# Altium PCB STM32F407开发板.PcbDoc (part 2 of 3) (continued)
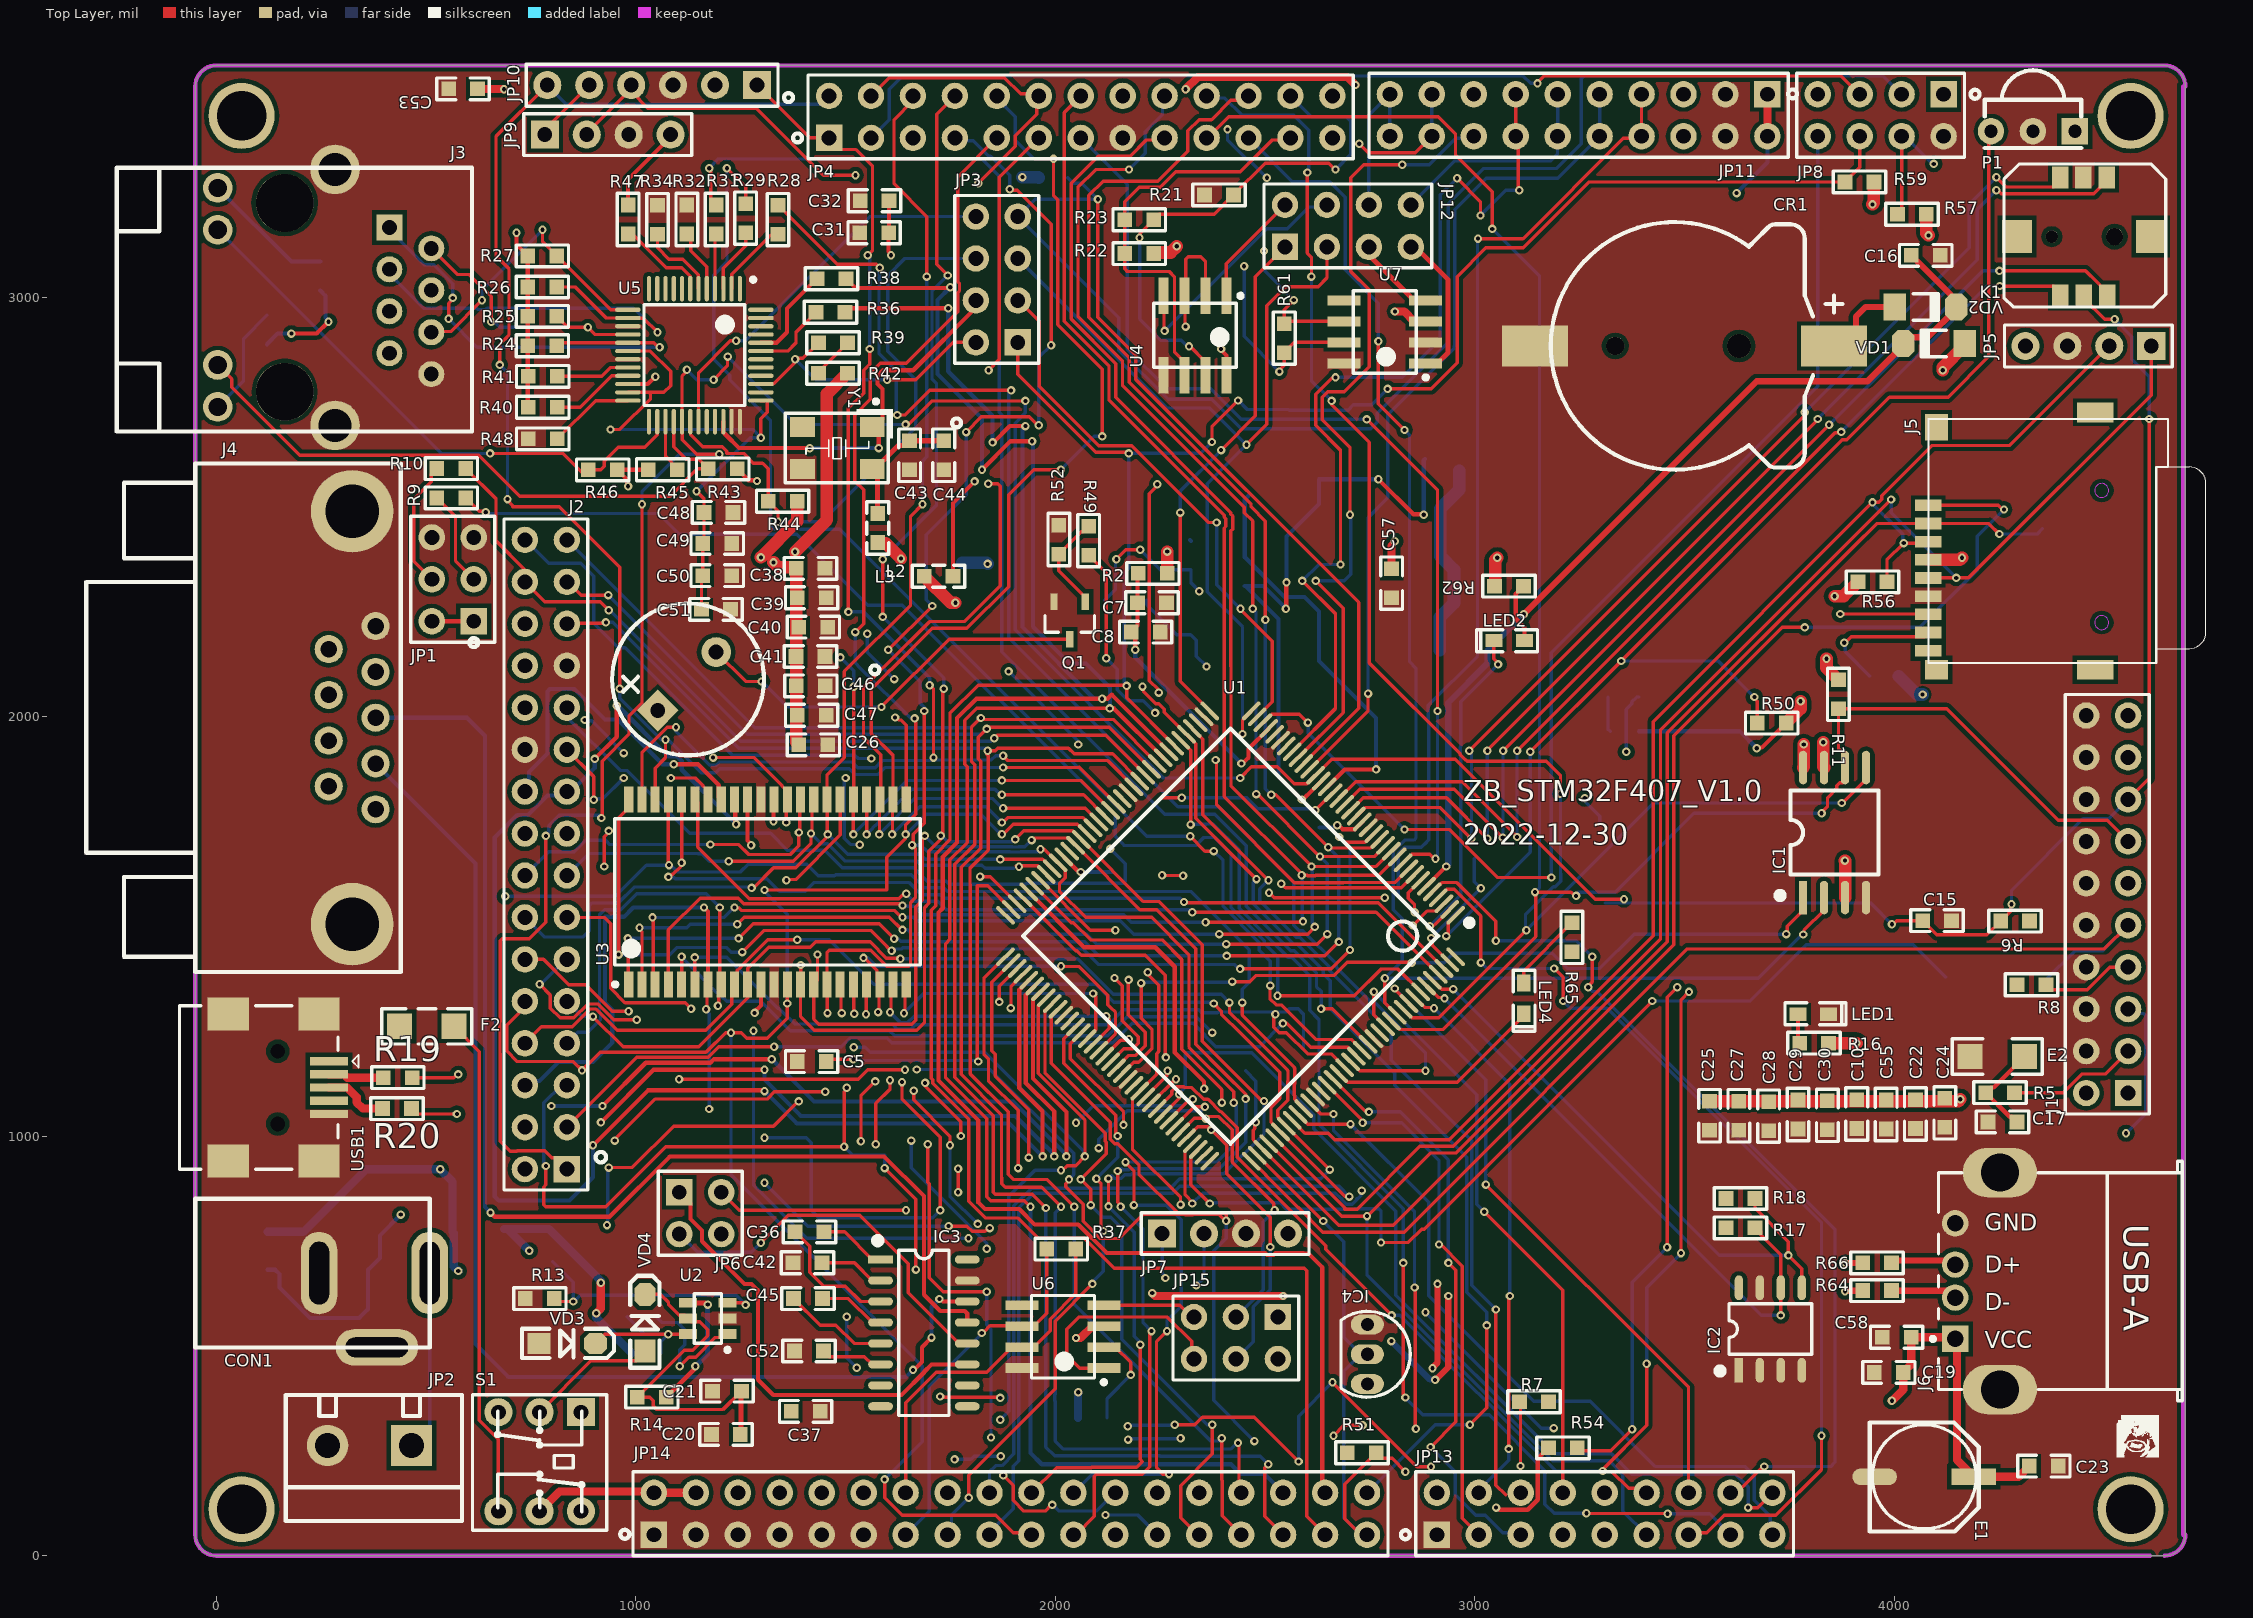
[diagram p0: Top Layer view]
## Nets (pads, with @x,y where several pads share a name; then routed paths per layer and width w, separated by ;. In a path a pad name is that pad's centre, name@x,y a point inside that pad or via, vN(x,y) a via of type N, cw(c..) or ccw(c..) an arc to the next point about the centre after c; other vN are vias at no path point) (continued)
FSMC_D6: J2.12 JP14.21 U1.60 U3.15 | length 4332.1
  Top Layer w8: J2.12@736,1421.58 780.23,1421.58 840.8,1361.01 881.49,1361.01 944.5,1298 v1(983.03,1298) ; v1(1433.4,1433.11) 1433.4,1370.75 U3.15@1424.47,1361.82 1424.47,1279.36 1436.65,1267.18 1658.62,1267.18 1667.89,1276.45 1667.89,1547.15 1683,1562.26 1683,1710 v1(1689,1716) ; v1@1945.81,1707.81 v1(1943.97,1705.97) 1947.22,1705.97 1952.29,1711.05 2031.23,1711.05 U1.60@2048.63,1693.65 2202.22,1540.06 2242.4,1540.06 2335,1447.45 2335,1219.32 2402.39,1151.93 2454,1100.32 v1(2454,1089) ; JP14.21@2043.51,50 2049.83,50 2093.51,93.68 2093.51,189.81 2098.19,194.5 2208.11,194.5 2225.72,212.1 2225.72,531.63 v1(2229.59,535.5) ; v1(2149,917) 2149,842.25 2156,835.25 v1(2156,832)
  PWR03 w8: v1(983.03,1298) 1093.11,1408.08 1248.3,1408.08 1273.33,1433.11 v1(1433.4,1433.11)
  Bottom Layer w8: v1(1689,1716) 1715.13,1689.87 1897.33,1689.87 1897.57,1689.63 1912.43,1689.63 1912.67,1689.87 1927.87,1689.87 v1(1943.97,1705.97) ; v1(2149,917) 2154.29,922.29 2158.41,922.29 2160.24,920.45 2175.1,920.45 2177.37,922.72 2391.64,922.72 2454,985.08 v1(2454,1089) ; v1(2156,832) 2209.54,778.46 2209.54,555.55 v1(2229.59,535.5)
FSMC_D7: J2.13 JP4.7 JP14.22 U1.63 U3.16 | length 6400.6
  Top Layer w8: J2.13@836,1521.58 924.89,1521.58 940.18,1506.29 940.18,1352.61 974.46,1318.32 1117.9,1318.32 v1(1132.22,1304) ; v1(1457.36,1293.5) 1456.67,1294.19 1456.67,1361.12 U3.16@1455.97,1361.82 1455.97,1437.49 1461.63,1443.16 1559.99,1443.16 1598.14,1405 1650.64,1405 1655.32,1409.69 1655.32,1557.21 1667,1568.89 1667,1686 v1(1659,1694) v1@1661.3,1696.3 ; v1(1602.15,2159.83) 1602.48,2159.83 1706.67,2264.03 v1(1707,2264.03) ; v1@1662,1696.61 1662,1720.11 1688,1746.11 v1(1688,2013.79) ; v1(1787.7,2678.52) 1824,2714.82 1938.11,2714.82 1957.97,2694.97 v1(1961,2694.97) ; v1(1891.67,3257.43) 1893.97,3255.14 1909.87,3255.14 1990.3,3174.7 v1(1990.3,2885.87) ; v1(1965.12,1683.98) 1974.28,1683.98 2006.38,1651.89 U1.63@2006.87,1651.89 2024.27,1634.49 2024.27,1616.31 2010.31,1602.34 2010.31,1584.1 2072.41,1522 2230.11,1522 2319,1433.11 2319,1212.69 2426,1105.69 v1(2426,1080) ; v1(2167.67,938.39) 2187.83,918.23 v1(2187.83,835.7) ; v1(2266.54,535.5) 2241.72,510.68 2241.72,209.2 2257.42,193.5 2270.34,193.5 v1(2271.34,194.5)
  PWR03 w8: v1(1132.22,1304) 1213.09,1223.12 1303.19,1223.12 1373.56,1293.5 v1(1457.36,1293.5)
  Bottom Layer w8: v1(1602.15,2159.83) 1678.68,2083.3 1678.68,2031.6 1688,2022.28 v1(1688,2013.79) ; v1(1659,1694) 1679.89,1694 1695.95,1677.94 1892.38,1677.94 1892.63,1677.69 1917.37,1677.69 1917.62,1677.94 1959.07,1677.94 v1(1965.12,1683.98) ; v1(1707,2264.03) 1692.61,2278.41 1692.61,2434.22 1787.7,2529.3 v1(1787.7,2678.52) ; JP4.7@1761,3380 1767.56,3373.44 1804.5,3373.44 1841.43,3336.5 1846,3336.5 1891.67,3290.83 v1(1891.67,3257.43) ; v1(1961,2694.97) 1961,2856.56 v1(1990.3,2885.87) ; JP14.22@2043.51,150 2088,194.5 v1(2271.34,194.5) ; v1(2167.67,938.39) 2384.68,938.39 2431.5,985.21 2431.5,1074.5 v1(2426,1080) ; v1(2187.83,835.7) 2265.27,835.7 2300.46,800.51 2300.46,594.23 2266.54,560.3 v1(2266.54,535.5)
FSMC_D8: J2.14 JP4.6 U1.64 U3.29 | length 3371.6
  Top Layer w8: v1(1276.25,1592.04) 1280.93,1592.04 1328.53,1639.65 1381.96,1639.65 1457.99,1715.68 v1(1457.99,1719.67) 1456.98,1720.68 1456.98,1801.75 U3.29@1455.97,1802.76 1455.97,1861.05 1497.63,1902.71 1497.63,2108.03 1655.32,2265.72 1655.32,2478.22 v1(1683.77,2506.67) ; JP4.6@1661,3480 1661,3468.57 1615.93,3423.5 1615.93,3270.15 1694,3192.07 v1(1694,3049.38) ; v1(1869,1660) 1891.06,1660 1891.51,1660.45 1969.98,1660.45 1992.46,1637.97 U1.64@1992.96,1637.97
  Bottom Layer w8: J2.14@741.01,1526.59 J2.14@736,1521.58 782.66,1474.92 874.31,1474.92 889,1489.61 889,1549.2 895.8,1556 958.02,1556 996.02,1594 1274.29,1594 v1(1276.25,1592.04) ; v1(1457.99,1719.67) 1505.66,1672 1678.11,1672 1690.11,1660 v1(1869,1660) v1@1872,1660 ; v1(1683.77,2506.67) 1683.77,2609.37 1694,2619.59 v1(1694,3049.38)
FSMC_D9: J2.15 U1.65 U3.30 | length 1341.6
  Top Layer w8: v1(1221.76,1655.65) 1375.33,1655.65 1417.99,1698.31 v1(1417.99,1721.58) 1420.29,1723.88 1420.29,1798.58 U3.30@1424.47,1802.76 ; v1(1913.94,1642.51) 1909.01,1642.51 1907.08,1644.45 1913.94,1644.45 1958.14,1644.45 1978.54,1624.05 U1.65@1979.04,1624.05
  Bottom Layer w8: J2.15@836,1621.58 888.31,1673.89 1148.48,1673.89 1148.97,1673.4 1158.09,1673.4 1175.84,1655.65 v1(1221.76,1655.65) ; v1(1417.99,1721.58) 1441.9,1697.67 1457.36,1697.67 1499.03,1656 1671.49,1656 1681.15,1646.34 1825.04,1646.34 1832.93,1638.45 1901.08,1638.45
FSMC_D10: J2.16 U1.66 U3.31 | length 1918.5
  Top Layer w8: v1(1178.18,1695.4) 1245.36,1695.4 1269.11,1671.65 1368.7,1671.65 1389,1691.94 v1(1389,1724) 1390.99,1725.99 1390.99,1800.78 U3.31@1392.98,1802.76 ; U1.66@1965.12,1610.13 2084.13,1491.12 v1(2143.68,1491.12)
  PWR03 w8: v1(1389,1724) 1408.58,1743.58 1741.7,1743.58 1756.5,1728.78 1756.5,1727.48 1992.86,1491.12 v1(2143.68,1491.12)
  Bottom Layer w8: J2.16@736,1621.58 792.5,1678.08 854.02,1678.08 881.28,1705.35 928.22,1705.35 938.17,1695.4 v1(1178.18,1695.4)
FSMC_D11: J2.17 JP4.5 U1.67 U3.32 | length 4846.2
  Top Layer w8: v1(1184.52,1902.71) 1282.6,1902.71 1348.75,1836.56 1348.75,1835.18 1361.48,1822.45 U3.32@1361.48,1802.76 1359.31,1800.6 1359.31,1750.17 1359,1749.86 v1(1359,1748) ; U1.67@1951.2,1596.21 2038.19,1509.21 2043.4,1509.21 2084.66,1467.96 2255.5,1467.96 2302.12,1421.33 2302.12,1206.94 2370.39,1138.67 2380.53,1128.53 2397.57,1111.49 v1(2397.57,1080.24)
  PWR03 w8: J2.17@836,1721.58 878.72,1764.3 v1(878.72,1992.39) ; v1(971.69,1913.45) 974.94,1913.45 983.69,1904.7 1182.53,1904.7 v1(1184.52,1902.71) 1242.03,1960.22 1357.14,1960.22 1661,2264.08 1661,2689.15 1661.33,2689.48 1661.33,2704.34 1661,2704.67 JP4.5@1661,3380 ; v1(1359,1748) 1359,1726.6 1357.14,1724.74 1409.89,1672 1624.8,1672 1693.8,1603 1784.89,1603 2007.63,1380.26 2106.96,1380.26 2167.67,1319.55 2244.45,1319.55 2397.57,1166.43 v1(2397.57,1080.24)
  Bottom Layer w8: v1(878.72,1992.39) 881.02,1990.1 895.04,1990.1 v1(971.69,1913.45)
FSMC_D12: J2.18 U1.68 U3.35 | length 2813.1
  Top Layer w10: U3.35@1266.99,1802.76 1266.79,1802.56 1266.79,1705.08 1275.14,1696.72 v1(1275.14,1693.65) ; U1.68@1937.28,1582.29 2068.96,1450.61 2238.55,1450.61 2285.12,1404.05 2285.12,1199.9 2355,1130.02 v1(2355,1113)
  PWR03 w10: J2.18@736,1721.58 749.01,1721.58 763,1707.59 763,1706.49 793.03,1676.46 1201.89,1676.46 1219.07,1693.65 v1(1275.14,1693.65) 1318.98,1693.65 1401.63,1611 1485.99,1611 1526.88,1651.89 1620.87,1651.89 1686.76,1586 1777.85,1586 2000.59,1363.26 2099.92,1363.26 2231.33,1231.85 2302.62,1231.85 2355,1179.47 v1(2355,1113)
FSMC_D13: J2.19 U1.77 U3.36 | length 3791.6
  Top Layer w10: v1(898,978.32) 1029.15,1109.46 1305.17,1109.46 v1(1307,1107.64) ; v1(902.28,1899.52) 955.08,1952.32 v1(955.08,2026.16) ; U3.36@1235.5,1802.76 1237.57,1800.69 1237.57,1745.88 v1(1239.48,1743.97) ; U1.77@1937.28,1372.11 1937.28,1372 1914.32,1349.04 1914.32,1115.1 1969.98,1059.44 v1(1969.98,952)
  Bottom Layer w10: v1@898,981.02 v1(898,978.32) 898,902.2 842.23,846.44 673.56,846.44 664,856 664,1712.51 717.57,1766.08 743.42,1766.08 789.5,1812.16 826.58,1812.16 J2.19@836,1821.58 846.2,1821.58 902.28,1877.66 v1(902.28,1899.52) ; v1(955.08,2026.16) 957.29,2026.16 1077.74,1905.7 1098.65,1905.7 1109.74,1894.61 1109.74,1873.7 v1(1239.48,1743.97) ; v1(1307,1107.64) 1384.17,1030.47 1891.51,1030.47 v1(1969.98,952)
FSMC_D14: J2.20 U1.78 U3.37 | length 3658.1
  Top Layer w10: v1(917,1033) 1042.4,1158.4 v1(1307,1158.4) ; v1(1090.81,1886.77) 1148.23,1886.77 1198.17,1836.82 1198.17,1808.59 U3.37@1204,1802.76 ; U1.78@1951.2,1358.19 1929.93,1336.92 1929.93,1127.18 1998,1059.11 v1(1998,952)
  PWR03 w10: J2.20@736,1821.58 735.86,1821.44 689.5,1821.44 664,1795.94 664,981.05 669.86,975.19 859.19,975.19 v1(917,1033)
  Bottom Layer w10: J2.20@736,1821.58 745.42,1831 745.42,1868.08 789.5,1912.16 789.5,2060.22 795.36,2066.08 854.43,2066.08 926.76,1993.75 957.25,1993.75 1064.23,1886.77 v1(1090.81,1886.77) ; v1(1307,1158.4) 1307,1135.16 1393.69,1048.47 1904.84,1048.47 1978.3,975 1979.5,975 1992.98,961.53 1992.98,959.73 1998,954.71 v1(1998,952)
FSMC_D15: J2.21 U1.79 U3.38 | length 3289.1
  Top Layer w8: J2.21@836,1921.58 900,1857.58 v1(900,1802.12) ; v1(1084.04,1854) 1142.34,1854 1159.77,1836.56 1159.77,1835.18 1172.5,1822.45 U3.38@1172.5,1802.76
  Top Layer w10: v1(920.93,1072.04) 1024.1,1175.21 1177.95,1175.21 1186.45,1183.71 v1(1324.29,1183.71) ; U1.79@1965.12,1344.27 1947,1326.15 1947,1137.27 1955.28,1129 2026.76,1057.52 v1(2026.76,952)
  PWR03 w8: v1(971.69,1854) v1(1084.04,1854)
  PWR03 w10: v1(799.03,1072.04) 795.57,1075.51 795.57,1619.19 737.68,1677.08 700.33,1677.08 691.5,1685.91 691.5,1757.5 711.08,1777.08 754.43,1777.08 780.5,1803.15 780.5,1866.08 J2.21@836,1921.58 ; v1@1314.87,1183.71 v1(1324.29,1183.71)
  Bottom Layer w8: v1(900,1802.12) 902.19,1804.31 922,1804.31 v1(971.69,1854)
  Bottom Layer w10: v1(799.03,1072.04) v1(920.93,1072.04) ; v1(1324.29,1183.71) 1425.06,1082.94 1899.58,1082.94 2021,961.53 2021,960.46 2026.76,954.71 v1(2026.76,952)
FSMC_NBL0: U1.141 U3.39 | length 2016.8
  Top Layer w8: U3.39@1141.01,1802.76 1147.83,1795.94 1147.83,1689.35 1270.95,1566.23 1626.86,1566.23 1638.63,1578 v1(1645,1578) ; v1(2327.02,1534.11) 2764.95,1534.11 U1.141@2913.03,1386.03
  Bottom Layer w8: v1(1645,1578) 1662.95,1560.05 1720.64,1560.05 1740.74,1539.95 2321.18,1539.95 v1(2327.02,1534.11)
FSMC_NBL1: U1.142 U3.40 | length 2157.1
  Top Layer w8: v1(1078.02,1618.19) 1081.26,1618.19 1087.32,1624.24 1088.54,1624.24 1107.22,1642.92 1107.22,1649.59 v1(1109.51,1651.89) U3.40@1109.51,1802.76 ; v1(2307.3,1558.34) 2309.2,1556.44 2770.46,1556.44 U1.142@2926.95,1399.95
  Bottom Layer w8: v1(1078.02,1618.19) 1080.31,1615.89 1091.77,1615.89 1093.77,1613.89 1256.37,1613.89 1256.52,1614.04 1312.65,1614.04 1342.69,1584 1404.31,1584 1425.35,1605.04 1651.57,1605.04 1680.56,1576.05 1727.26,1576.05 1736.31,1567 2298.64,1567 v1(2307.3,1558.34)
FSMC_NE3: R33.2 U1.125 U3.6 | length 1948.8
  Top Layer w8: U3.6@1141.01,1361.82 v1(1141.01,1426.41) ; v1@2521,1291 v1@2521,1292 ; v1(2525,1291) 2522,1291 v1@2521,1292 ; U1.125@2690.32,1163.32 2690.32,1163.82 2658.08,1196.06 2602.37,1196.06 2551.42,1247 2533.89,1247 2521,1259.89 v1@2521,1292
  Bottom Layer w8: v1(1141.01,1426.41) 1217.6,1426.41 1338.6,1305.41 1341.06,1305.41 1350.47,1296 1350.8,1296 1379.18,1267.61 1611.4,1267.61 1623.89,1255.12 1655.37,1255.12 1666.35,1266.11 2127.48,1266.11 2162.55,1301.19 2342.88,1301.19 2349.64,1294.43 2387.11,1294.43 2388.68,1296 2549.66,1296 2557.77,1304.11 2579.19,1304.11 2592.07,1291.22 2592.07,1273 2590.89,1271.81 2590.89,1269.78 2592.07,1268.6 2592.07,1213.34 R33.2@2588.58,1209.84
FSMC_NE4: J2.3 U1.127 | length 2081.4
  Top Layer w8: J2.3@836,1021.58 1002.56,1188.15 1172.59,1188.15 1197.96,1213.52 v1(1329.98,1213.52) ; v1(2543,1269) 2552.05,1269 2608.99,1212.06 2697.76,1212.06 2718.16,1191.65 U1.127@2718.16,1191.16
  Bottom Layer w8: v1(1329.98,1213.52) 1490.41,1213.52 1510.89,1234 1599.76,1234 1610.63,1223.12 2137.24,1223.12 2183.3,1269.19 2329.63,1269.19 2356.51,1242.31 2356.51,1239.57 2382.55,1213.52 2487.52,1213.52 v1(2543,1269) v1@2537.68,1263.68
FSMC_NOE: J2.4 U1.118 U3.41 | length 3086.5
  Top Layer w8: U3.41@1078.02,1802.76 1078.02,1647.66 v1(1079.43,1646.24) ; v1(2446,1318.63) 2446,1288.84 2570.07,1164.77 2570.07,1163.64 2571,1162.71 2571,1125.35 2570.4,1124.76 2570.4,1097.48 2571,1096.88 2571,1093.47 2571,1088.26 2592.88,1066.38 U1.118@2592.88,1065.88
  PWR03 w8: v1(689,1572) 689,1068.58 J2.4@736,1021.58 J2.4@741.01,1026.59
  Bottom Layer w8: v1(689,1572) 951.39,1572 1025.64,1646.24 v1(1079.43,1646.24) 1084.04,1646.24 1100.4,1629.89 1249.74,1629.89 1267.99,1648.13 1408.02,1648.13 1435.11,1621.04 1474.12,1621.04 1476.65,1623.57 1656.89,1623.57 1688.41,1592.05 1733.89,1592.05 1742.46,1583.49 2323.68,1583.49 2463.06,1444.11 2463.06,1367.65 2446,1350.59 v1(2446,1318.63)
FSMC_NWE: J2.5 U1.119 U3.17 | length 4333.8
  Top Layer w8: v1(786,929) 786,883.87 780.5,878.37 780.5,836.48 785.18,831.8 928.22,831.8 1071.43,975 v1(1496.96,975) 1496.96,1105.86 1503.32,1112.23 v1(1503.32,1115.47) ; U3.17@1487.46,1361.82 1489.4,1359.89 1489.4,1295.43 v1(1491.33,1293.5) ; v1(1593.51,924.01) 1668,849.51 v1(1668,682) ; v1(1725.81,379.48) 1727.42,377.87 1867.36,377.87 v1(1868.98,376.26) ; U1.119@2606.8,1079.8 2633.6,1053 v1(2663.61,1053) ; v1(2663.61,286) 2688.2,310.59 v1(2733,310.59) ; v1(2856.85,639.24) 2858.43,637.67 2858.43,304.08 v1(2860,302.5)
  PWR03 w8: v1(1491.33,1293.5) 1491.33,1127.47 v1(1503.32,1115.47) ; v1(1668,682) 1678.94,671.06 1678.94,426.36 v1(1725.81,379.48) ; v1(1868.98,376.26) 1885.24,360 2238.5,360 2261.66,383.16 2566.45,383.16 v1(2663.61,286) ; v1(2733,310.59) 2736.25,310.59 2744.33,302.5 v1(2860,302.5)
  Bottom Layer w8: v1(786,929) 786,932.25 781.09,937.15 781.09,1079.47 823.2,1121.58 J2.5@836,1121.58 ; v1(1496.96,975) 1517.11,954.85 1593.51,954.85 v1(1593.51,924.01) ; v1(2663.61,1053) 2663.61,1013.07 2856.85,819.83 v1(2856.85,639.24)
GND: C1.1 C2.1 C3.1 C4.1 C5.1 C6.1 C7.1 C8.1 C9.1 C10.1 C11.1 C12.1 C13.1 C14.1 C15.1 C16.1 C17.1 C19.1 C20.1 C21.1 C22.1 C23.2 C24.1 C25.1 C26.1 C27.2 C28.2 C29.2 C30.2 C31.2 C32.2 C33.2 C34.2 C37.1 C38.2 C39.2 C40.2 C41.2 C42.1 C43.2 C44.2 C46.2 C47.2 C48.2 C49.2 C50.2 C51.2 C52.1 C53.1 C54.2 C55.2 C56.1 C57.2 C58.2 CON1.2 CON1.3 CR1.DC- DZ1.1 E1.2 E2.2 IC1.4 IC2.1 IC2.2 IC2.3 IC2.4 IC2.7 IC3.15 IC4.1 J1.4 J1.6 J1.8 J1.10 J1.12 J1.14 J1.16 J1.18 J1.20 J2.22 J2.25 J3.8 J3.13 J3.14 J4.5 J4.10 J4.11 J5.6 J6.4 J6.5 J6.6 JP1.5 JP1.6 JP2.2 JP4.15 JP5.3 JP7.3 JP8.2 JP9.3 JP10.3 JP11.3 JP11.4 JP13.1 JP14.1 JP14.3 JP14.5 JP14.7 JP14.9 JP14.11 K1.5 LED1.2 P1.2 Q1.2 R3.2 R12.1 R13.2 R21.1 R32.2 R34.2 R48.2 R52.1 U1.16 U1.31 U1.38 U1.51 U1.61 U1.83 U1.94 U1.107 U1.120 U1.130 U2.2 U3.12 U3.34 U4.5 U5.15 U5.19 U5.35 U5.36 U5.47 U6.8 U7.2 U7.8 USB1.5 V1.1 VD3.1 Y1.3 | length 3.5
  Bottom Layer w10: C1.1@2321.44,2421.51 C1.1@2323.88,2419.07
GPIO0: JP3.1 JP8.6 JP14.33 R59.2 U1.43 | length 6620.4
  Top Layer w8: JP3.1@1911,2892.5 1911,2816.14 2096.76,2630.37 2173.12,2630.37 v1(2175.57,2627.93) ; U1.43@2285.26,1930.28 2170.31,2045.23 v1(2170.31,2073.68) 2168.99,2075 1816.2,2075 1749.26,2008.07 1749.26,1707.06 1715,1672.8 1715,1549.01 1704.66,1538.67 1704.66,1137.75 1707.94,1134.47 1707.94,1125.99 1793.81,1040.12 1793.81,845.31 1834.23,804.88 1911.56,804.88 1960,756.44 2069.78,756.44 2141.22,685 2594.12,685 2600.01,679.11 2600.01,93.5 JP14.33@2643.51,50 ; v1(2373.78,2655) 2373.78,2691.53 v1(2436.26,2754) ; v1(2792.57,2781.68) 2896.41,2781.68 2958.18,2843.46 2958.18,3049.38 3026.66,3117.86 3116,3117.86 3273.14,3275 R59.2@3883,3275 3918,3310 JP8.6@3918,3384
  Bottom Layer w8: v1(2170.31,2073.68) 2165.07,2078.92 2165.07,2343.58 2175.57,2354.08 v1(2175.57,2627.93) 2346.71,2627.93 v1(2373.78,2655) ; v1(2436.26,2754) 2457.77,2732.49 2555.99,2732.49 2557.56,2730.92 2698.4,2730.92 2711,2743.53 2754.41,2743.53 v1(2792.57,2781.68)
GPIO2: JP3.5 JP8.4 JP12.3 R57.2 U1.36 | length 4044.3
  Top Layer w8: v1(2446.71,1959) 2446.71,1992.39 2467.61,2013.3 U1.36@2467.61,2013.79 ; v1(2456.1,2648.29) 2504.72,2696.91 2504.72,2979.71 2550,3025 2627,3025 2648,3046 JP12.3@2648,3120.22 ; R57.2@4008,3198 4018,3208 JP8.4@4018,3384
  PWR03 w8: JP12.3@2648,3120.22 2648,3164.45 2688.56,3205.01 2688.56,3280.13 2706.35,3297.92 2834.62,3297.92 2838.64,3301.94 4078.62,3301.94 v1(4094.68,3318)
  Bottom Layer w8: JP3.5@1911,3092.5 2267.5,2736 2368.38,2736 v1(2456.1,2648.29) 2363,2555.19 2363,2297.79 2446.71,2214.08 v1(2446.71,1959) ; JP8.4@4018,3384 4025.44,3384 4091.44,3318 v1(4094.68,3318)
HS0038: P1.3 R50.1 U1.1 | length 3014.8
  Top Layer w8: v1@2937.39,1481.89 2937.39,1509.21 U1.1@2954.79,1526.61 ; v1(3132.78,1916.36) v1(3349.36,2132.93) 3876.43,2660 3887.03,2660 3989.03,2762 4129,2762 4226.06,2859.06 4226.06,3391.06 P1.3@4231,3396 ; v1(3667,2047) 3667,2043.75 3673.84,2036.91 R50.1@3673.84,1985
  Bottom Layer w8: v1(2932.54,1477.2) 3132.78,1677.44 v1(3132.78,1916.36) ; v1(3349.36,2132.93) 3581.07,2132.93 v1(3667,2047)
HS_DM: R19.1 U1.75 | length 2527
  Top Layer w7.99: R19.1@467.5,1139.62 565.99,1139.62 573.86,1147.49 v1(577.11,1147.49) ; v1(1635,1129) 1635,1088.26 1725.81,997.45 1725.81,823.56 v1(1726.06,823.31) ; v1(1866.89,1320.33) 1866.89,1357.4 U1.75@1909.44,1399.95
  PWR03 w7.99: v1(577.11,1147.49) 606,1118.6 606,995.61 746.8,854.81 920.87,854.81 1062.35,996.28 v1(1307.13,996.28) ; v1(1635,1129) 1666.8,1129 1672.07,1134.26 1672.07,1134.47 1682.57,1144.97 1682.78,1144.97 1696.49,1158.68 1696.49,1296 1720.82,1320.33 v1(1866.89,1320.33)
  Bottom Layer w7.99: v1(1307.13,996.28) 1406.66,996.28 1418.5,984.45 1418.5,823.31 1436.43,805.37 1708.13,805.37 v1(1726.06,823.31)
HS_DP: R20.1 U1.76 | length 2394.6
  Top Layer w8: R20.1@465.59,1065.99 478.58,1053.01 v1(573.86,1053.01) ; v1(935.81,925.29) 936.07,925.55 991.61,925.55 1090.19,1024.12 1328.53,1024.12 1387.35,1082.94 v1(1388.53,1082.94) ; v1(1690,1127.04) 1690,1119.5 1774.73,1034.77 1774.73,1001.05 v1(1775.36,1000.41) ; v1(1894.37,1305.41) 1894.89,1305.93 1894.89,1357.56 U1.76@1923.36,1386.03
  PWR03 w8: v1(573.86,1053.01) 573.86,984.3 769.97,788.19 v1(931.5,788.19) ; v1(1388.53,1082.94) 1390.81,1080.67 1524.84,1080.67 1656.05,949.46 1770.68,949.46 1775.36,954.14 v1(1775.36,1000.41) ; v1(1690,1127.04) 1690.67,1127.71 1715,1127.71 1721.66,1134.37 1721.66,1293.66 1726.35,1298.35 1870.28,1298.35 1875.04,1303.11 1892.07,1303.11 v1(1894.37,1305.41)
  Bottom Layer w8: v1(931.5,788.19) 933.66,790.35 933.66,923.14 v1(935.81,925.29)
I2S_LRCK: JP11.19 JP11.20 JP12.6 U1.73 | length 4039
  Top Layer w8: U1.73@1881.6,1427.79 1830.25,1376.44 1830.25,1195.44 1841,1184.69 1841,1132.61 1911.68,1061.93 v1(1911.68,924.01)
  PWR03 w8: v1(1911.68,924.01) 1980.63,924.01 2025.57,879.06 2463.64,879.06 2543,958.42 2543,1181.7 2724.97,1363.66 2724.97,1865.61 2768,1908.64 2768,2300.89 2748.57,2320.31 2748.57,2575.11 2765,2591.54 2765,2869.54 2704.5,2930.03 2704.5,3138.24 2742.99,3176.72 2742.99,3215.21 JP12.6@2748,3220.22
  Bottom Layer w8: JP12.6@2748,3220.22 2748,3434 JP11.19@2798,3484 JP11.20@2798,3384
I2S_SCK: JP11.9 JP11.10 U1.26 | length 1995.5
  Top Layer w8: U1.26@2606.8,1874.6 2746,2013.79 v1(2746,2055.2)
  Bottom Layer w8: v1(2746,2055.2) 2746,2475.04 2792.57,2521.62 2792.57,2719.74 2950.93,2878.11 2950.93,2883.99 2952.81,2885.87 2952.81,2899.12 2952.81,3209.17 3027.64,3284 3198,3284 JP11.10@3298,3384 JP11.9@3298,3484
I2S_SCLK: JP11.11 JP11.12 JP12.8 U1.74 | length 4334.6
  Top Layer w8: U1.74@1895.52,1413.87 1848.95,1367.3 1848.95,1203.76 1857,1195.71 1857,1143.49 1937.28,1063.22 v1(1937.28,949)
  PWR03 w8: v1(1937.28,949) 1905.56,949 1889.68,933.12 1889.68,901.68 1894.37,897 1901,897 1965.12,897 1997.78,864.34 2479.34,864.34 2567,952 2567,1183.07 2743.51,1359.57 2743.51,1817.62 2810,1884.11 2810,2302 2769,2343 2769,2535 2778,2544 2779.68,2544 2797.06,2561.38 2797.06,2763.75 2800,2763.75 2810.51,2774.26 2810.51,2789.11 2800,2799.62 2797.06,2799.62 2797.06,2885.09 2792.57,2889.58 2792.57,2944.15 2770.57,2966.15 2770.57,3047.03 2791.5,3067.96 2791.5,3163.72 JP12.8@2848,3220.22
  Bottom Layer w8: JP12.8@2848,3220.22 2952.78,3325 3182,3325 3197.5,3340.5 3197.5,3383.5 JP11.12@3198,3384 JP11.11@3198,3484
I2S_SDA: JP11.7 JP11.8 U1.7 | length 2412.1
  Top Layer w8: v1(2856.85,1533.52) 2856.85,1552.29 2841.48,1567.66 2841.48,1580.34 U1.7@2871.27,1610.13 ; v1(3008,3139.86) 3115.37,3139.86 3354.5,3378.99 3392.99,3378.99 JP11.8@3398,3384 JP11.7@3398,3484
  Bottom Layer w8: v1(2856.85,1533.52) 2818,1572.37 2818,1674.18 2832.82,1689 2873.16,1689 2874.31,1690.15 ; 2874.33,1690.15 2885.62,1701.44 2890.64,1706.48 2890.64,1986.77 2889.59,1987.82 2889.59,2027.3 3006.99,2144.7 3006.99,3138.85 v1(3008,3139.86)
I2S_SDIN: JP11.13 JP11.14 U1.29 | length 2234.7
  Top Layer w8: U1.29@2565.04,1916.36 2668.37,2019.68 2668.37,2245.15 2589.61,2323.91 v1(2589.17,2323.91) ; v1(2668.37,2809.03) 2661.4,2809.03 2621.03,2768.66 2621.03,2694.97 2680.27,2635.73 v1(2680.27,2362.87) ; v1(2958.18,3284) 3014,3228.18 v1(3014,3195) ; JP11.13@3098,3484 JP11.14@3098,3384 3103.99,3378.01 3103.99,3257.61 v1(3106.29,3255.32)
  Bottom Layer w8: v1(2589.17,2323.91) 2628.12,2362.87 v1(2680.27,2362.87) ; v1(2668.37,2809.03) 2827.34,2809.03 2918.23,2899.92 2918.23,3244.05 v1(2958.18,3284) ; v1(3014,3195) 3074.32,3255.32 v1(3106.29,3255.32)
I2S_SDOUT: JP11.15 JP11.16 U1.28 | length 1991.8
  Top Layer w8: U1.28@2578.96,1902.44 2686.59,2010.07 2686.59,2258.53 v1(2621.21,2323.91) ; v1(2702.97,2481.52) 2702.97,2641.62 2637.03,2707.56 2637.03,2762.03 2649.92,2774.92 2689.14,2774.92 2748.57,2834.35 2748.57,3017.44 2704.5,3061.5 2704.5,3284.82 2735.69,3316 v1(2827.34,3316)
  Bottom Layer w8: v1@2621.21,2329.39 v1(2621.21,2323.91) 2689.34,2323.91 2705.05,2339.62 2705.05,2479.44 v1(2702.97,2481.52) v1@2702.97,2474.09 ; v1(2827.34,3316) 2891.51,3316 2954.5,3378.99 2992.99,3378.99 JP11.16@2998,3384
IIC_SCL: IC2.6 R17.2 U1.139 | length 1410.1
  Top Layer w8: U1.139@2885.19,1358.19 2885.69,1358.19 2913.08,1330.8 2925.83,1330.8 v1(2928.13,1328.5) ; R17.2@3668.5,787.48 3682,773.98 3682,765.12 3729.99,717.13 IC2.6@3729.99,638.73 v1(3729.99,572.95)
  Bottom Layer w8: v1(2928.13,1328.5) 3683.68,572.95 v1(3729.99,572.95)
IIC_SDA: IC2.5 R18.2 U1.140 | length 1379.7
  Top Layer w8: U1.140@2899.11,1372.11 2899.61,1372.11 2921.08,1350.63 v1(2948.88,1350.63) ; R18.2@3668.5,851.57 3668.5,827.79 3748,748.28 v1(3748,716) 3779.99,684.01 IC2.5@3779.99,638.73
  Bottom Layer w8: v1(2948.88,1350.63) 3583.52,716 v1(3748,716)
JTCK: J1.9 R12.2 U1.109 | length 2713.9
  Top Layer w8: U1.109@2467.61,940.61 2468.11,940.61 2486.43,922.29 2487.4,922.29 2501.76,907.92 2501.76,906.95 2579.43,829.28 2580.46,829.28 2638.26,771.48 2832.25,771.48 3507.27,1446.5 4501.5,1446.5 J1.9@4558,1503
  Bottom Layer w8: R12.2@4362,1373 4431.43,1442.43 4497.43,1442.43 J1.9@4558,1503
JTDO: IC1.6 J1.13 JP4.19 R11.2 U1.133 | length 4943.8
  Top Layer w8: JP4.19@2361,3380 2364.01,3380 2414.01,3430 2913.51,3430 2954.5,3389.01 2954.5,3338.75 3042,3251.25 v1(3042,3163) ; U1.133@2801.67,1274.67 2802.17,1274.67 2822.57,1254.27 2923.8,1254.27 3145.5,1475.98 3145.5,1580.34 v1(3143.92,1581.93) 3229.82,1581.93 3238.75,1573 v1(3242,1573) ; v1@3829.44,1772.1 v1(3827.15,1769.8) 3827.15,1772.52 3841.34,1786.72 3841.34,1807.09 3863.45,1829.2 3863.45,1836 3870.45,1843 3877.25,1843 3883.1,1848.84 IC1.6@3883.1,1879 3883.1,1909.15 3867.34,1924.91 R11.2@3867.34,2019 4125.4,2019 4391.4,1753 4508,1753 J1.13@4558,1703
  Bottom Layer w8: v1(3042,3163) 3154.78,3050.22 3154.78,1592.8 v1(3143.92,1581.93) ; 3247.07,1581.93 3335.09,1581.93 3522.97,1769.8 v1(3827.15,1769.8)
JTMS: J1.7 R8.2 U1.105 | length 3184.7
  Top Layer w8: v1(2327.02,839.68) 2327.02,842.93 2310.94,859.01 2310.94,859.42 2309.62,860.74 2309.62,964.97 U1.105@2327.02,982.36 ; R8.2@4362,1361.16 4374.02,1349.14 4460.35,1349.14 4514.21,1403 J1.7@4558,1403
  PWR03 w8: v1(2730.7,870.31) 2989.88,870.31 3013.92,846.27 4337.27,846.27 4546,1055 4615.31,1055 4620,1059.69 4620,1341 J1.7@4558,1403
  Bottom Layer w8: v1(2327.02,839.68) 2351.68,864.34 2667.64,864.34 2680.4,851.57 2683.4,851.57 2683.4,848.57 2693.91,838.06 2708.77,838.06 2719.28,848.57 2719.28,851.57 2722.28,851.57 2728.41,857.7 2728.41,868.01 v1(2730.7,870.31)
JTRST: IC1.2 J1.3 JP4.21 R5.2 U1.134 | length 4746.9
  Top Layer w8: v1(2770.57,2895.08) 2770.57,2745.94 v1(2832.82,2683.69) ; v1(2786.06,1376.68) 2786.06,1318.63 2815.59,1289.09 U1.134@2815.59,1288.59 ; 3785.93,1491.68 3833.1,1538.84 IC1.2@3833.1,1569 ; R5.2@4287.19,1104.01 4403.24,1104.01 4447.48,1148.24 4503.24,1148.24 J1.3@4558,1203
  PWR03 w8: v1(3783.64,1480.93) 4000.17,1480.93 4317.53,1163.57 4474.33,1163.57 4513.77,1203 J1.3@4558,1203
  Bottom Layer w8: JP4.21@2461,3380 2565.44,3275.56 2654.17,3275.56 2691.5,3238.24 2691.5,3065.15 2770.57,2986.08 v1(2770.57,2895.08) ; v1(2832.82,2683.69) 2844.93,2671.57 2844.93,2131.46 2860.23,2116.16 2860.23,1710.83 2855.54,1706.15 2833.08,1706.15 2806.06,1679.13 2806.06,1539.95 2827.34,1518.67 2827.34,1417.96 v1(2786.06,1376.68) 3261.57,1376.68 3261.89,1377 3280.11,1377 3280.43,1376.68 3473.56,1376.68 3473.89,1377 3492.11,1377 3492.43,1376.68 3675.89,1376.68 v1@3777.15,1477.93
KEY0: K1.1 U1.21 | length 2468.3
  Top Layer w8: U1.21@2676.4,1805 2716.08,1844.68 2970,1844.68 v1(3101.21,1713.47) ; v1(3101.21,1918.78) 3859.13,2676.7 3871.7,2676.7 v1(3874,2679) ; v1(4252,3027) 4252.43,3026.57 4380.31,3026.57 4396,3010.89 K1.1@4396,3004
  Bottom Layer w8: v1(3101.21,1713.47) v1(3101.21,1918.78) ; v1(3874,2679) 4222,3027 v1(4252,3027)
KEY1: K1.3 U1.20 | length 2589.4
  Top Layer w8: U1.20@2690.32,1791.08 2726.39,1827.15 2951.85,1827.15 v1(3067,1712) ; v1(3068,1918.78) 3068,1919 v1(3845,2696) ; v1(4251,3063) 4456.33,3063 4483.79,3035.55 4483.79,3035.31 4508.2,3010.89 K1.3@4508.2,3004
  Bottom Layer w8: v1(3067,1712) 3067.5,1712.5 3067.5,1918.28 v1(3068,1918.78) ; v1(3845,2696) 4212,3063 v1(4251,3063)
KEY2: K1.4 U1.19 | length 2714.5
  Top Layer w8: U1.19@2704.24,1777.16 2734.16,1807.09 2932.95,1807.09 v1(3030.5,1709.54) ; v1(3030.5,1918.79) 3030.5,1920.6 3818,2708.1 v1(3818,2709.91) ; v1(4244,3255.32) 4247.25,3255.32 4255.79,3246.77 4476.05,3246.77 4483.08,3253.8 4483.08,3254.54 4507,3278.46 K1.4@4507,3285.35
  Bottom Layer w8: v1(3030.5,1709.54) v1(3030.5,1918.79) ; v1(3818,2709.91) 4198,3089.91 4198,3209.32 v1(4244,3255.32)
KEY3: K1.6 U1.18 | length 2587.5
  Top Layer w8: U1.18@2718.16,1763.24 2718.66,1763.24 2739.06,1783.65 2918.31,1783.65 v1(2992.42,1709.54) ; v1(2987.41,1918.79) 3784.7,2716.08 3784.7,2723.36 v1(3787,2725.65) ; v1(4244,3286) 4267.23,3262.77 4380.11,3262.77 4395.8,3278.46 K1.6@4395.8,3285.35
  Bottom Layer w8: v1(2987.41,1918.79) 2987.41,1915.54 2992.41,1910.54 v1(2992.42,1709.54) ; v1(3787,2725.65) 4179,3117.65 4179,3221.43 4243.57,3286 v1(4244,3286)
LCD_BL: J2.23 U1.22 | length 2224.6
  Top Layer w8: v1(2131.1,1685.08) 2253.11,1807.09 v1(2301.88,1807.09) ; v1(2620.28,1777.16) 2620.5,1777.16 2662.26,1818.92 U1.22@2662.48,1818.92
  Bottom Layer w8: J2.23@836,2021.58 836,1999.39 963.45,1871.94 979.12,1871.94 1129.19,1721.87 1321.55,1721.87 1361.75,1681.67 1450.74,1681.67 1492.4,1640 1663.09,1640 1695.04,1608.05 1740.52,1608.05 1747.51,1601.06 1930.33,1601.06 1932.45,1603.18 2162.25,1603.18 2166.94,1607.87 2166.94,1649.25 v1(2131.1,1685.08) ; v1(2301.88,1807.09) 2456.77,1807.09 2483.07,1780.79 2616.66,1780.79 v1(2620.28,1777.16)
LED0: LED2.2 U1.2 | length 821.7
  Top Layer w8: v1(2893,1501) 2893.16,1501 2897,1497.16 2911.61,1511.77 2940.37,1540.53 U1.2@2940.87,1540.53 ; LED2.2@3045.96,2182.04 3045.96,2138.1 3056,2128.07 v1(3056,2124.82)
  Bottom Layer w8: v1(2893,1501) 2967.3,1575.3 2967.3,1907.79 2965.41,1909.67 2965.41,1927.9 2967.3,1929.78 2967.3,2036.12 v1(3056,2124.82)
LED1: LED3.2 U1.3 | length 957
  Top Layer w8: v1(2852.76,1502.25) 2887.57,1537.05 2909.55,1537.05 U1.3@2926.95,1554.45
  PWR03 w8: v1(2852.76,1502.25) 2903.03,1552.51 3058.32,1552.51 3361.35,1855.54 v1(3361.35,1916.36)
  Bottom Layer w8: v1(3361.35,1916.36) 3361.35,2017.35 3375,2031 3375,2035.25 3386.75,2047 LED3.2@3391,2047
LED2: LED4.2 U1.124 | length 519.1
  Top Layer w8: U1.124@2676.4,1149.4 2676.9,1149.4 2697.3,1129 2958.25,1129 3117,1287.75 LED4.2@3117,1292
LINKLED: J3.11 R43.1 U5.28 | length 1502
  Top Layer w8: J3.11@3.46,2838.81 37,2805.27 37,2785.51 198.85,2623.66 625.99,2623.66 724.01,2525.64 1081.84,2525.64 1147.15,2590.95 R43.1@1172.98,2590.95 1149.87,2614.06 1120.13,2614.06 1090.81,2643.39 U5.28@1090.81,2703.58